# Altium PCB Holberton.PcbDoc (part 4 of 6) (continued)
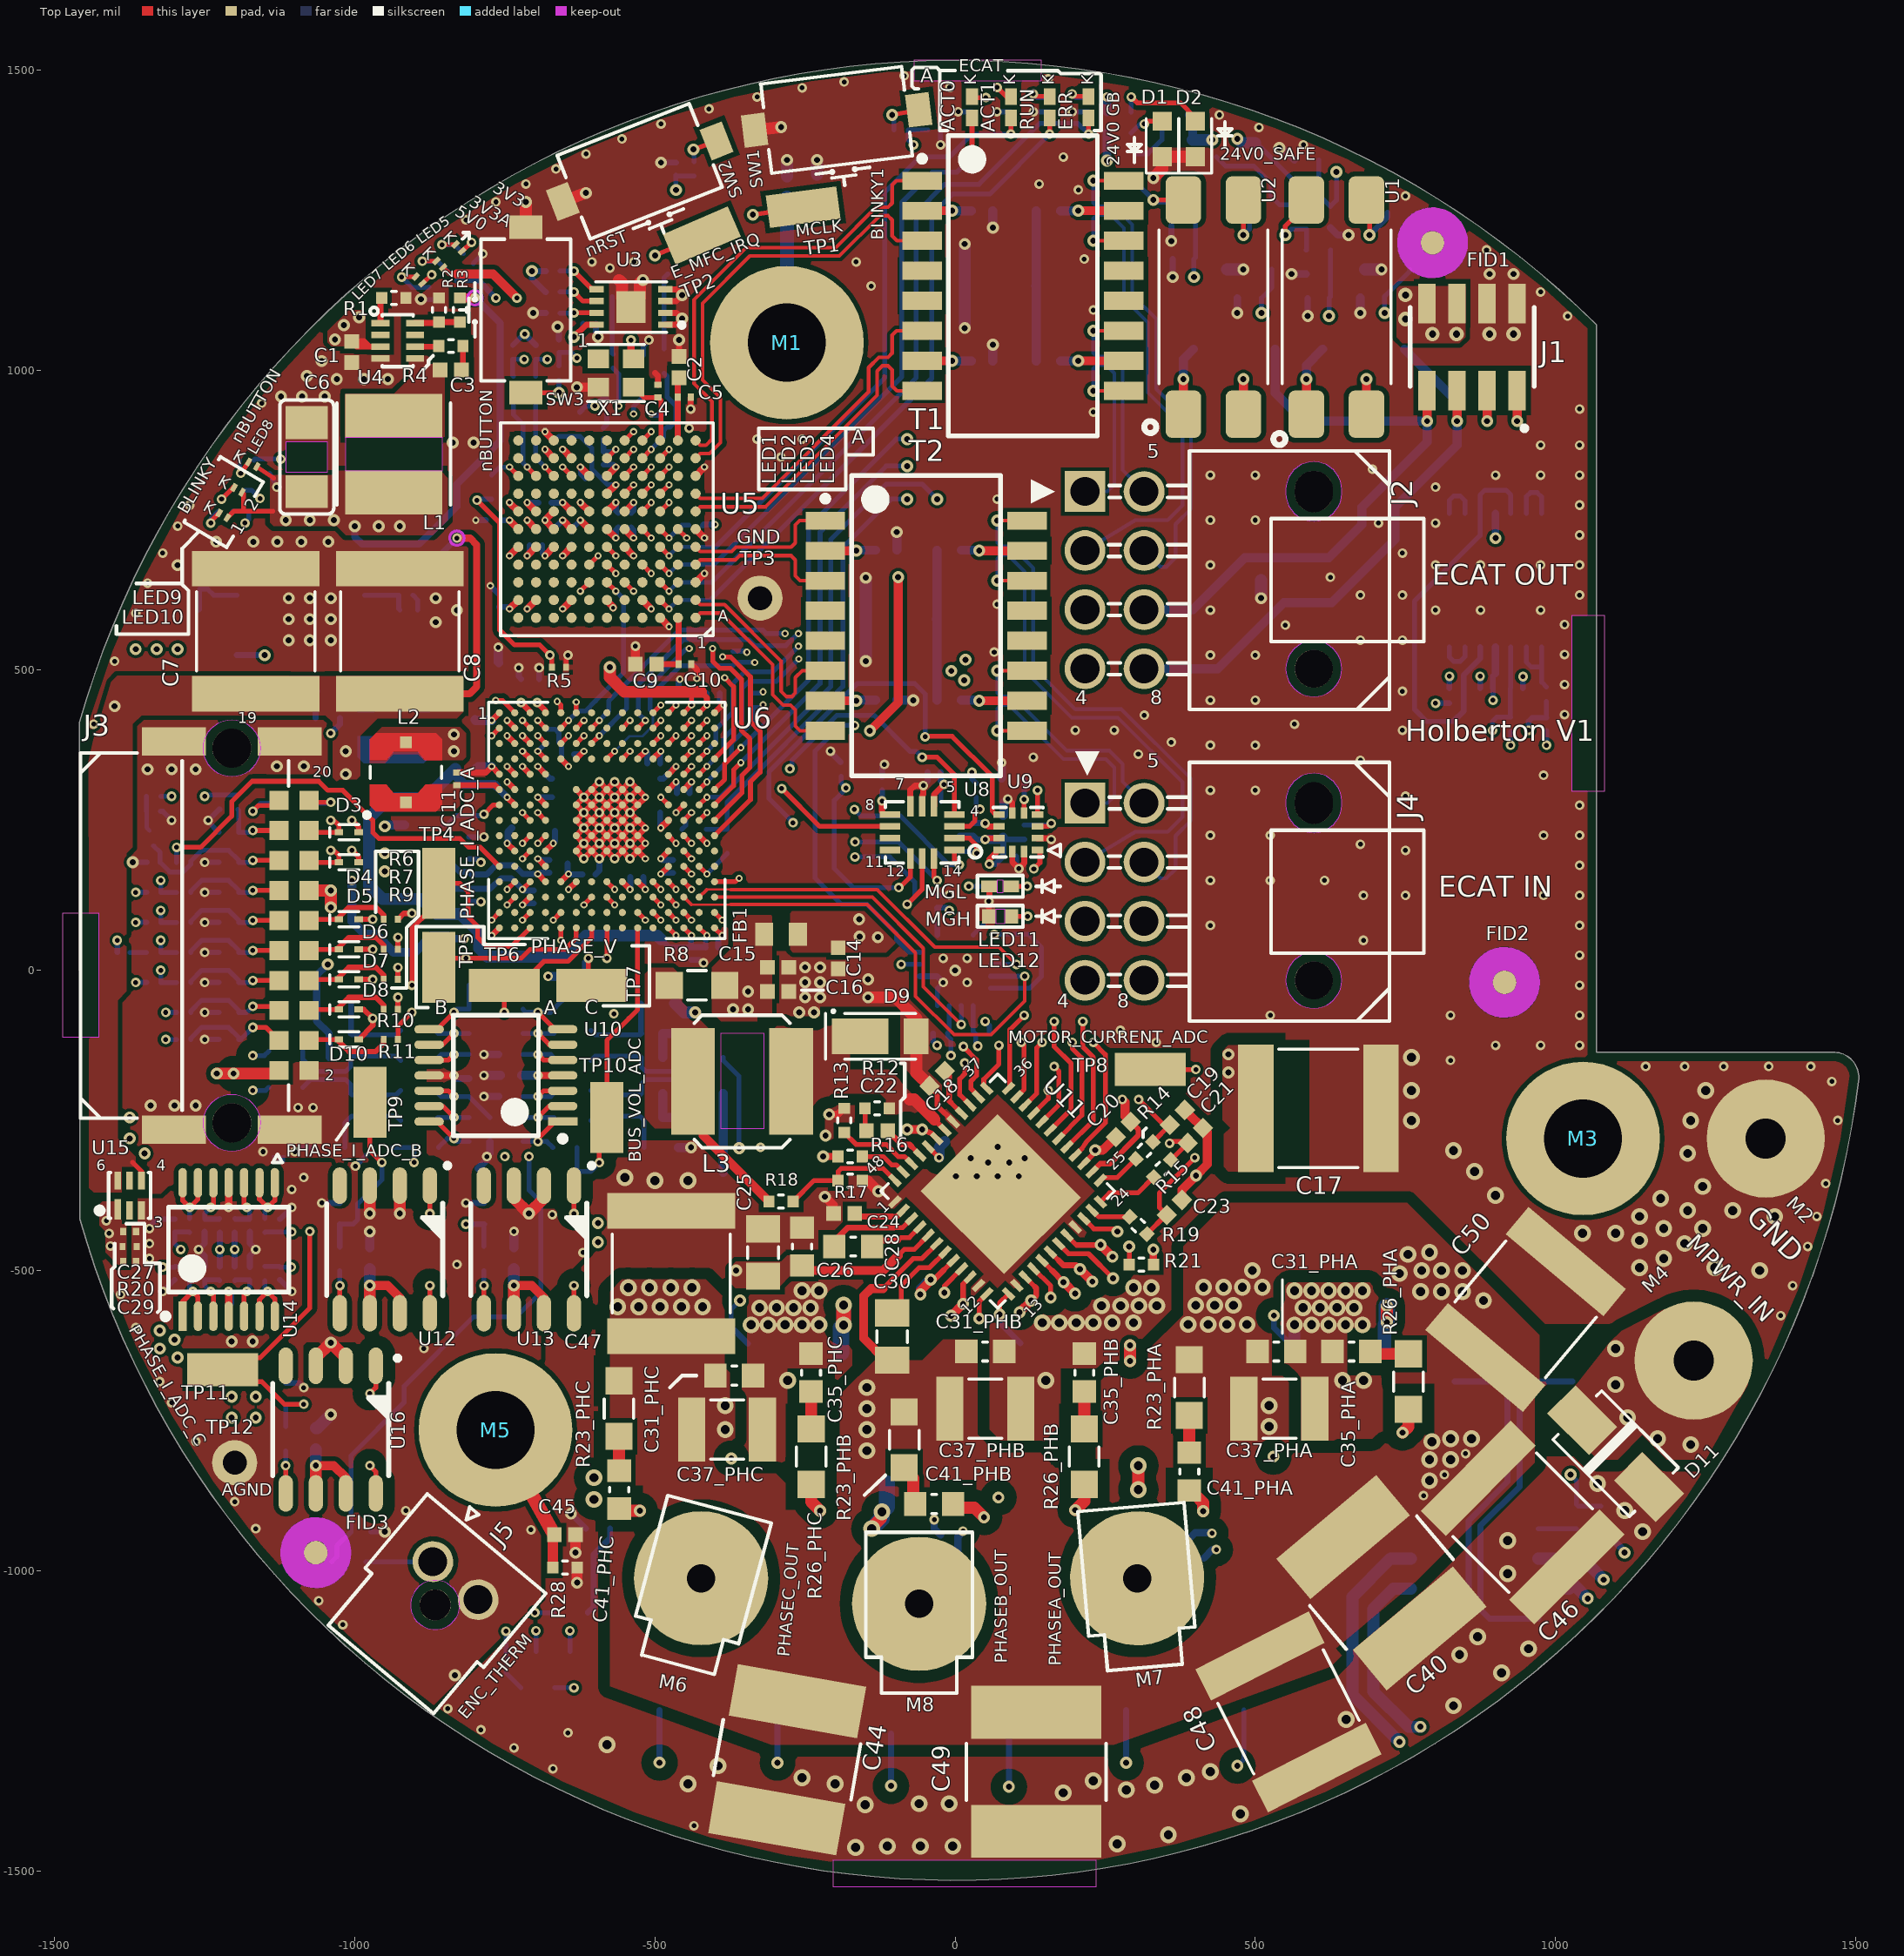
[diagram p0: Top Layer view]
## Nets (pads, with @x,y where several pads share a name; then routed paths per layer and width w, separated by ;. In a path a pad name is that pad's centre, name@x,y a point inside that pad or via, vN(x,y) a via of type N, cw(c..) or ccw(c..) an arc to the next point about the centre after c; other vN are vias at no path point) (continued)
  Top Layer w12: v3(-712.88,602.12) U5.B10@-698.11,616.89 ; v3(-683.35,690.7) U5.E9@-668.58,705.47 ; v3(-683.35,867.88) U5.K9@-668.58,853.11 ; v3(-683.35,897.4) U5.L9@-668.58,882.64 ; v3(-653.82,602.12) U5.B8@-639.05,616.89 ; v3(-653.82,690.7) U5.E8@-639.05,705.47 ; v3(-653.82,749.76) U5.F8@-639.05,735 ; v3(-653.82,779.29) U5.G8@-639.05,764.53 ; v3(-653.82,867.88) U5.K8@-639.05,853.11 ; v3(-624.29,838.34) U5.J7@-609.52,823.58 ; U5.B6@-580,616.89 -580,615.54 -569.7,605.24 v3(-569.7,603.92) ; U5.J6@-580,823.58 v3(-565.24,838.34) ; U5.E5@-550.47,705.47 v3(-535.71,690.7) ; U5.F5@-550.47,735 v3(-535.71,720.23) ; U5.B4@-520.94,616.89 v3(-506.18,602.12) ; U5.A3@-491.41,587.36 v3(-476.65,572.59) ; U5.C1@-432.36,646.42 v3(-417.6,661.17) ; U5.F1@-432.36,735 v3(-417.6,720.23) ; U5.J1@-432.36,823.58 v3(-417.6,838.34) ; v2(-210,-240) -209.58,-239.58 -195.25,-239.58 -188.84,-233.18 -188.35,-233.18 R13.1@-185,-229.83
  Top Layer w15: v2(-630,971.38) X1.2@-594.53,971.38 ; C9.1@-532.71,510 v1(-532.71,540.1) ; v2(-217,-377) -202.72,-391.28 C24.2@-202.72,-405
  Top Layer w17.7: v2(-632.28,-970) C45.2@-632.28,-940 ; v2(-629.83,-1020) R28.1@-629.83,-995 ; R17.1@-154.83,-350 -154.83,-350.49 -154.33,-350.99 -145.01,-350.99 v2@-128.44,-367.56
  Top Layer w20: J3.14@-1076.11,133.08 v2(-1040,133.08) v2(-1040,105) ; SW3.2@-715,1237.8 v2(-715,1280) ; SW2.2@-653.64,1280.65 v2(-615,1295) ; -560,1150 -555,1145 -555,1120 U3.9@-540.01,1105 -525,1120 -525,1145 v2(-520,1150) ; SW1.2@-334.22,1399.6 v2(-289.95,1404.56) ; v2(-145,-45) -100,-45 -64.97,-80.03 -64.97,-170.09 C18.2@-42.53,-192.53 ; v2(330,1320) 345,1335 D1.1@345,1355.47 D2.1@400,1355.47
  Bottom Layer w8: v2(-890,1118) -889,1117 -864.3,1117 R52.2@-859.65,1121.65 ; R48.2@-802.65,1177.65 v1(-786.65,1193.65) ; v3(-624.29,838.34) -624.29,826.71 C70.1@-616.3,818.73 ; U19.8@-29.53,-58.81 -29.53,-29.52 v1(-20,-20) ; v1(-24.37,1375) C51.2@-24.37,1400
  Bottom Layer w8.84: v2(-1370,180) C120.2@-1345.63,180 ; R95.1@-1323.19,265 -1320,265 v1(-1305,250) ; v1(-1250,-115) D23.A@-1226.54,-115 ; v1(-1250,-70) D22.A@-1226.54,-70 ; v1(-1250,-20) D21.A@-1226.54,-20 ; v1(-1250,30) D20.A@-1226.54,30 ; v1(-1250,80) D19.A@-1226.54,80 ; v1(-1250,130) D18.A@-1226.54,130 ; v1(-1250,180) D17.A@-1226.54,180 ; D16.A@-1226.54,230 -1244.1,247.55 v1(-1244.1,250) -1225.91,268.19 R92.1@-1225,268.19 ; v1(5,1430.19) R32.1@28,1430.19 ; v1(69.68,1430.19) R31.1@92.68,1430.19 ; v1(130,1430.19) R30.1@157.36,1430.19 ; v1(195,1430.19) R29.1@222.04,1430.19
  Bottom Layer w9.24: C131.2@-1395.63,30 v1(-1395.63,50) ; v1(-1100,-302) -1093,-295 R143.1@-1073.54,-295 ; C110.2@-810,222.28 v1(-785,222.28) ; C78.1@-687.49,708.42 -687.49,694.85 v3(-683.35,690.7) ; v3(-653.82,690.7) -639.06,705.46 C76.1@-639.06,709.61 ; C67.2@-585.91,842.49 -569.38,842.49 v3(-565.24,838.34) ; C63.2@-519.37,1025 -519.37,1040.63 v1(-510,1050) ; -394.37,51.78 v3(-388.08,58.06) ; C93.2@-392.37,461.99 -392.37,446.92 -387.37,441.92 v3(-385.08,441.92) ; C104.2@-121.95,321.43 v1@-121.95,340 ; C126.1@-30,125.63 v1(-10,125.63)
  Bottom Layer w10: v3(-798.52,749.76) C73.1@-781.62,749.76 ; v3(-774.24,640.76) C81.1@-760.13,626.65 ; v1(-727,504) -727,489.63 C88.2@-723,485.63 ; v2(-703,1095) R56.1@-681.81,1095 ; C87.2@-693,485.63 v1(-693,503.99) ; C75.1@-672.73,733 -670.58,733 v3(-653.82,749.76) ; C71.1@-672.73,779.29 v3(-653.82,779.29) ; v2(-662,1072) -660,1070 C62.2@-660,1050.63 ; v2(-640,-905) -615.18,-929.82 RT1.2@-615.18,-930 ; C98.2@-634.37,360 -623.54,360 v3(-618.39,365.15) ; C121.2@-599.37,160 -592.8,166.57 v1(-592.8,186.03) ; C59.2@-598.46,1076.96 -598.46,1058.46 v2(-595,1055) ; C74.1@-539.84,737.55 -535.71,733.41 v3(-535.71,720.23) ; C72.1@-539.84,761.99 -535.71,766.12 v3(-535.71,779.29) ; C122.2@-519.64,155.48 -519.64,138.46 v3(-516.03,134.84) ; v3(-516.03,365.15) -512.75,361.88 C100.2@-512.75,344.85 ; v3(-490.44,186.02) -488.04,183.63 C119.2@-470,183.63 ; v2(-490,1345.63) C52.2@-465,1345.63 ; v3(-464.85,313.97) -463.63,312.76 C107.2@-463.63,295 ; C92.2@-460.63,462 -460.63,463.3 -460.63,482.46 -458.63,484.46 v3(-458.63,485) ; C128.2@-440,17.37 -425.58,17.37 -420.73,12.52 v1(-419.11,12.52) ; C129.2@-394.37,37.99 -394.37,51.78 ; v1(-207.9,365.3) -207.9,363.88 R89.1@-190.91,346.89 ; U19.10@-58.81,-9.84 -30.16,-9.84 v1(-20,-20) ; v1(-53,308) -45.63,315.37 C102.2@-45.63,330 ; C112.2@30,245.63 49.37,245.63 v1(50,245) ; C116.2@101.63,190 101.63,173.97 v1(106,169.6) ; v2(359.82,1215) R46.1@359.82,1239.99 ; v2(362.28,1155) C56.2@362.28,1185 ; v2(587.28,1090) C58.2@587.28,1120
  Bottom Layer w12: v2(-1045,10) -1063.54,-8.54 -1063.54,-84.18 C135.2@-1042.72,-105 C139.1@-1042.71,-145 ; v3(-746.35,211.61) -745,212.96 -745,230.72 C113.2@-738.72,237 ; v1(-35,-915) -35,-930 RT3.2@-24.27,-940.73 ; RT2.2@385.73,-950.73 399.76,-936.7 425.51,-936.7 426.62,-937.82 v1(427.71,-937.82) ; v2(469.82,1095) R55.1@469.83,1120 ; v2(540,1370) 544.83,1370 R39.1@564.83,1350 ; v2(560,1160) R51.1@584.83,1160 ; C54.2@625,1237.28 637.28,1225 v2(655,1225)
  Bottom Layer w15: C95.1@-800.01,417.71 -798.63,416.33 v3(-771.94,416.33) ; C99.1@-797.29,337 -794.73,339.56 v3(-771.94,339.56) ; v1(-761,538) -761,513.72 C84.2@-760,512.72 ; C147.2@-487.29,-244.99 C141.1@-487.29,-205 ; C138.1@-487.29,-145 C134.2@-487.28,-105 ; C147.2@-487.28,-245 -435,-245 ; C134.2@-487.28,-105 -440,-105 ; R142.1@-461.46,-295 v2(-440,-295) ; C94.2@-97.28,449.99 v2(-70,449.99) ; C79.2@-97.28,699.99 v2(-97.28,730) ; C64.2@62.72,1014.99 v2(62.72,1042.28) ; v2(62.72,1237.28) C55.2@62.72,1264.99 ; C103.2@77.28,320 v1(77.28,346) ; C109.2@80,257.72 81,258.72 81,278.9 v1(87.7,285.6) ; v2@674.83,1095.01 R54.1@674.83,1120
  Bottom Layer w20: R114.1@-466.46,-55 -451.46,-70 v2(-433,-70) ; C53.2@-280,1322.72 v2(-280,1349.99) ; R41.1@-230.01,1325.18 v2(-230.01,1350) ; v2(-149.05,515) v2(-149.05,654.04) ; v2(15.95,1070) v2(15.95,1210) ; Q4.2@452.6,1167.76 v2(480,1167.76) ; v2@509.64,620.01 D12.3@509.64,649.99 ; Q8_PHA.1@564.93,-636.95 564.93,-590.72 v4(565.22,-590.43) ; Q3.2@682.6,1167.76 v2(710,1167.76)
  other v1: -435,-1425 -670,-1330 -735,-1295 -645,-1270 -790,-1265 -845,-1230 1375,-575 1395,-525 1420,-460 1435,-410 1450,-355 -1153,-302 1470,-250 -1094.45,-228.45 -1069.45,-228.45 1460,-185 1150,-160 1215,-160 1280,-160 1355,-160 1425,-160 825,-150 900,-125 975,-125 1040,-125 335,-120 275,-100 525,-75 825,-75 1040,-75 1040,-25 20,-20 -20,20 20,20 1040,25 680,50 425,75 1040,75 680,125 750,125 980,125 1040,125 425,150 525,150 615,150 1040,175 750,200 675,210 425,225 525,225 980,225 1040,225 1040,275 750,290 425,300 500,300 980,325 -118,343 675,350 130,355 305,360 425,375 500,375 360,380 200,400 265,400 745,400 -1435,410 565,410 315,425 1015,426 425,450 500,450 745,465 1015,476 -1400,515 425,525 500,525 1015,526 65,530 675,550 745,550 550,575 1015,576 -1365,595 425,600 800,600 875,600 975,600 70,610 675,625 745,625 1040,625 -1345,645 625,655 425,675 800,675 875,675 975,675 1040,675 -1320,695 745,695 1040,725 -1295,740 705,745 800,745 425,750 500,750 -1275,775 1040,775 70,785 800,805 425,825 500,825 900,825 975,825 1040,825 695,835 -290,855 975,875 1040,875 -330,885 -255,885 -443.16,903.32 230,930 1040,935 -1155,945 1020,1090 230,1100 975,1130 -140,1140 -575,1170 -605,1180 -535,1180 -165,1180 215,1185 885,1200 -815,1250 -765,1280 750,1290 205,1300 -715,1310 140,1310 -665,1335 180,1355 -615,1360 580,1375 -555,1385 506,1404 -490,1410 440,1425 -410,1435 -330,1455 -255,1470 -9,1471 -185,1480 155,1485 -85,1490
  other v2: -128,-368 0.95,-342.94 35.95,-342.94 70.95,-342.94 105.95,-342.94 55,-320 90,-320 25.95,-312.94 115.95,-312.94 70.95,-293.94 -216,-275 -1340,-225 -1300,-225 -1265,-225 -260,-70 -235,-70 -250,-45 -225,-45 -250,-20 -225,-20 -145,-15 0,0 -250,5 -225,5 -1345,335 -1305,335 -1265,335 -1130,340 -1085,340 -1110,550 -1075,550 -1040,550 -865,580 -1110,585 -1075,585 -1040,585 -830,600 -1110,620 -1075,620 -1040,620 -865,620 509.65,620 -1295,675 -1231,714 -1169,714 -1129,714 -1089,714 -1044,714 -837,879 -802,879 -1123,956 -1088,956 -1050,956 -1030,985 -985,985 -945,985 -1080,990 -1055,1015 674.82,1095 890,1160 930,1160
  other v4: -166,-1461 -113,-1459 -58,-1459 -4,-1459 270,-1455 355,-1440 475,-1405 -150,-1390 -60,-1388 -10,-1388 180,-1370 285,-1365 332.1,-1357.4 -445,-1355 -200,-1355 230,-1350 -255,-1345 385,-1345 425,-1335 -395,-1325 -580,-1290 651,-1248 830,-1225 910,-1170 840,-1140 955,-1130 870,-1110 920,-1005 920,-950 1145,-935 1115,-900 1070,-855 -279,-683 151,-683 645,-683 680,-683 -339.88,-590.43 -311.59,-590.43 -283.31,-590.43 -255.02,-590.43 -226.95,-590.41 593.51,-590.43 621.79,-590.43 650.07,-590.43 678.36,-590.43 144.96,-586.9 173.24,-586.9 201.53,-586.9 229.81,-586.9 261.63,-586.9 296.98,-586.9 -325.73,-562.15 -297.45,-562.15 -269.17,-562.15 -240.88,-562.15 579.36,-562.15 607.65,-562.15 635.93,-562.15 664.22,-562.15 243.95,-558.61 275.77,-558.61 305.95,-558.61 335.77,-558.61 -255.02,-533.87 -226.74,-533.87 565.22,-533.87 593.51,-533.87 621.79,-533.87 650.07,-533.87 678.36,-533.87 296.95,-528.61 326.77,-528.61 1340,-500 1140,-495 1265,-495 1180,-480 1215,-455 1140,-450 1045,-438 1100,-438 1180,-430 1245,-430 1140,-410 1365,-410 1220,-400 1295,-400 1175,-380 900,-375 1245,-360 -500,-350 -445,-350 -550,-345 865,-335 1220,-305 830,-300 760,-250 1225,-250 760,-200 1250,-200 760,-145
  other v5: 890,1060 930,1060
IA_ADC: C153.1 R151.2 TP4.1 U6.R3 | length 1191.8
  Top Layer w8: v1(-905,-25) -905,70 -875,100 -875,130 TP4.1@-860,145 -825,145 -811,131 -811,89 -795,73 -795,55 -780,40 -738.81,40 U6.R3@-707.96,70.86
  SL2 w6: v1(-905,-25) -905,-45 -924.9,-64.9 -924.9,-224.9 -1020,-320 -1020,-350 -1012.5,-357.5 -1012.5,-442.5 -990,-465 -857.29,-465 v1(-815,-422.71)
  Bottom Layer w8: R151.2@-785,-459.82 C153.1@-785,-422.71
  Bottom Layer w10: v1(-815,-422.71) C153.1@-785,-422.71
IB_ADC: C154.1 R152.2 TP9.1 U6.P3 | length 852.9
  Top Layer w8: TP9.1@-975,-220 -975,-300 v1(-955,-320) ; v3(-720.75,83.65) U6.P3@-707.96,96.45
  SL1 w6: v1(-955,-320) -914.28,-279.28 -900.3,-265.3 -897,-262 -881.01,-262 -822,-262 -803,-243 -803,-228 -803,-124 -803,-67.5 -777.05,-41.55 -777.05,-15.26 -720.75,41.04 v3(-720.75,83.65)
  Bottom Layer w8: C154.1@-1025,-422.71 -1002.71,-422.71 -995,-415 -995,-389 -955,-349 v1(-955,-320)
  Bottom Layer w10: R152.2@-1025,-459.82 C154.1@-1025,-422.71
IC_ADC: C171.1 R158.2 TP11.1 U6.N7 | length 1405.8
  Top Layer w8: v1(-1085,-722.71) -1117.29,-722.71 -1155,-685 -1200,-685 TP11.1@-1220,-665 -1200,-645 -1157.4,-645 -1075,-562.6 v1(-1075,-435) ; v3(-618.39,109.24) U6.N7@-605.6,122.04
  SL1 w6: v1(-1075,-435) -980,-340 -845,-340 -726.98,-221.98 -726.98,-8.4 -697.5,21.08 -697.5,88.5 -676.76,109.24 v3(-618.39,109.24)
  Bottom Layer w8: R158.2@-1115,-759.82 C171.1@-1115,-722.71 v1(-1085,-722.71)
IMU_CS_M: U6.R9
JTRST: R92.2 R93.1 U6.B6 | length 1013.6
  Top Layer w8: U6.B6@-631.19,403.54 v3(-618.39,416.33)
  SL2 w6: v1(-1250,290) -1250,311 -1246,315 -1246,343 -1257,354 -1257,393 -1222,428 -1104,428 -1072,460 -978,460 -939,499 -824.2,499 -803.3,519.9 -753.7,519.9 -730.6,543 -628,543 -621.81,536.81 -621.81,493.81 -607.79,479.79 -607.79,426.93 v3(-618.39,416.33)
  Bottom Layer w8: v1(-1250,290) -1248.19,291.81 R92.2@-1225,291.81 R93.1@-1195,291.81
LVXSMPS: C11.1 L2.1 U6.F1 | length 73.8
  Top Layer w10: C11.1@-830.01,308.37 -766.33,308.37 U6.F1@-759.14,301.18
MASTER_SCL: R91.1 U8.3 U9.1 | length 271.8
  Top Layer w8: U8.3@-1.58,239.84 23.84,239.84 33,249 33,260.3 v1(41.1,268.4) ; v1(131,169) 141.14,179.14 141.14,196.47 U9.1@137.14,200.47
  SL1 w6: v1(41.1,268.4) 65.6,268.4 82,252 82,218 v1(131,169)
  Bottom Layer w8: R91.1@35,288.19 35,274.5 v1(41.1,268.4)
MASTER_SDA: R99.1 U8.2 U9.4 | length 340
  Top Layer w8: U8.2@-1.58,220.15 23.85,220.15 36,208 v1(36,195) ; U9.4@137.14,259.53 v1(137.14,299.8)
  SL1 w6: v1(36,195) 23.23,225.83 23.23,276.23 35,288 51.34,288 68.34,305 131.94,305 v1(137.14,299.8)
  Bottom Layer w8: R99.1@5,198.19 32.81,198.19 v1(36,195)
MFCIO_BOOT0: R69.1 U5.J11 | length 55.9
  Top Layer w8: v3(-742.4,838.34) U5.J11@-727.63,823.58
  Bottom Layer w8: R69.1@-772.01,825.17 -758.83,838.34 v3(-742.4,838.34)
MFCIO_SCL: R60.1 R64.2 U6.A2 | length 719
  Top Layer w8: v3(-765.36,449.64) -754.06,449.64 U6.A2@-733.55,429.13
  SL1 w6: v3(-765.36,449.64) -806.5,490.78 -806.5,726.5 -817.66,737.66 -817.66,836.06 -747.92,905.8 -747.92,987.78 v1(-718,1017.7)
  Bottom Layer w8: R64.2@-735.55,989.7 -737.05,991.19 -737.05,1017.7 v1(-718,1017.7)
MFCIO_SDA: R59.1 R63.2 U6.B3 | length 741.8
  Top Layer w8: v3(-720.75,416.33) U6.B3@-707.96,403.54
  SL1 w6: v3(-720.75,416.33) -745,440.59 -745,457 -782.1,494.1 -782.1,622.8 -790.7,631.4 -790.7,661.9 -779,673.6 -779,851.6 -722.69,907.91 -722.69,974.28 v1(-679.26,1017.7)
  Bottom Layer w8: R63.2@-698.5,989.7 R59.1@-698.5,1017.7 v1(-679.26,1017.7)
MIC_CLK: U6.A7
MIC_DATA: U6.B8
MOTOR_CURRENT_ADC: C173.1 R159.2 TP8.1 U6.N11 | length 2515.2
  Top Layer w8: U6.N11@-503.23,122.04 v3(-490.44,109.24) ; TP8.1@325,-165 v1(401,-165)
  SL1 w8: v1(401,-165) 419,-147 419,-125 443,-101 486,-101 710,-325 790.06,-325 1010,-544.94 1010,-735 1025,-750 v2(1025,-840)
  SL2 w4: -491,65 -477.64,78.36 -477.64,96.44 v3(-490.44,109.24)
  SL2 w6: -491,65 -491,45.57 -431.43,-14 -384.6,-14 -365.6,5 -299,5 -272,32 -212,32 -199,19 -199,-61 -99,-161 -58,-161 -20,-199 127,-199 145,-217 161,-217 226,-152 388,-152 v1(401,-165)
  Bottom Layer w8: v2(1025,-840) 1035,-850.01 R159.2@1035,-889.82 1037.47,-892.29 C173.1@1074.99,-892.29
MOTOR_THERM1: C165.1 FB8.2 R156.1 U14.3 | length 1045.2
  Top Layer w8: v1(-1240,-535) -1235.59,-539.41 U14.3@-1235.59,-576.22
  SL2 w6: v1(-1240,-535) -1205,-570 -1180,-570 -1129,-621 -1099,-621 -1003,-717 -1003,-847 -925,-925 -860,-925 -840,-945 -825,-945 -748.4,-1021.6 v1(-748.4,-1100.7)
  Bottom Layer w8: v1(-1240,-535) -1250,-525 C165.1@-1250,-515.63 -1226.18,-515.63 R156.1@-1225,-516.81 ; v1(-748.4,-1100.7) -748.4,-1169.75 FB8.2@-723.15,-1195
MOTOR_THERM1_ADC: C166.1 R155.2 U6.N2 | length 1054.2
  Top Layer w8: v3(-746.35,109.24) U6.N2@-733.55,122.04
  SL1 w6: v1(-1320,-494.37) -1320,-410 -1275,-365 -1135,-365 -1098,-328 -1043,-328 -1010,-295 -950,-295 -934.28,-279.28 -900.3,-245.3 -874,-219 -873,-218 -873,-129 -873,-74.2 -752.8,46 -752.8,102.79 v3(-746.35,109.24)
  Bottom Layer w8: v1(-1320,-494.37) C166.1@-1300,-494.37 -1298.82,-493.19 R155.2@-1275,-493.19
MOTOR_THERM2: C164.1 FB7.2 R154.1 U14.5 | length 970.7
  Top Layer w8: U14.5@-1184.41,-576.22 -1184.41,-539.41 v1(-1180,-535)
  SL2 w6: v1(-1180,-535) -1124,-591 -1010.5,-591 -931.6,-669.9 -931.6,-823.4 -835,-920 -810,-920 -720,-1010 -720,-1078.15 v1(-698.15,-1100)
  Bottom Layer w8: R154.1@-1200,-516.81 -1198.82,-515.63 C164.1@-1175,-515.63 -1175,-530 v1(-1180,-535) ; FB7.2@-698.15,-1135 v1(-698.15,-1100)
MOTOR_THERM2_ADC: C163.1 R153.2 U6.J3 | length 1050.1
  Top Layer w8: v3(-720.75,211.61) U6.J3@-707.95,224.41
  SL2 w6: v1(-1105.63,-494.37) -1056.9,-445.64 -1056.9,-418.9 -1071.9,-403.9 -1071.9,-366.9 -1060,-355 -1060,-285 -1000,-225 -1000,80 -960,120 -940,120 -839.2,220.8 -839.2,221.8 -822.6,238.4 -774.4,238.4 -771.2,235.2 -744.33,235.2 v3(-720.75,211.61)
  Bottom Layer w8: R153.2@-1150,-493.19 -1126.18,-493.19 C163.1@-1125,-494.37 v1(-1105.63,-494.37)
MOTOR_THERM3: C156.1 FB6.2 R149.1 U14.10 | length 1316.2
  Top Layer w8: U14.10@-1184.41,-353.78 -1184.41,-390.59 v1(-1180,-395)
  SL2 w6: v1(-1180,-395) -1225,-440 -1298,-440 -1310,-452 -1310,-475 -1272.5,-512.5 -1142.5,-512.5 -1125,-530 -1125,-550 -1110,-565 -993.1,-565 -908.5,-649.6 -908.5,-820 -823.5,-905 -780,-905 -700,-985 v1(-700,-1070)
  Bottom Layer w8: R149.1@-1200,-413.19 -1198.82,-414.37 C156.1@-1175,-414.37 -1175,-400 v1(-1180,-395) ; v1(-700,-1070) FB6.2@-668.15,-1070
MOTOR_THERM3_ADC: C155.1 R147.2 U6.H3 | length 1042.4
  Top Layer w8: v3(-720.75,262.79) U6.H3@-707.96,249.99
  SL2 w6: v1(-1105,-435.63) -1125,-415.63 -1125,-354 -1082,-311 -1082,-267 -1045,-230 -1045,-170 -1066.6,-148.4 -1066.6,35 -966.6,135 -950,135 -830,255 -822.3,255 -800,277.3 -779.3,277.3 -758,256 -727.54,256 v3(-720.75,262.79)
  Bottom Layer w8: R147.2@-1150,-436.81 -1148.82,-435.63 C155.1@-1125,-435.63 v1(-1105,-435.63)
MPWR: C30.1 C31_PHA.1 C31_PHB.1 C31_PHC.1 C37_PHA.1 C37_PHB.1 C37_PHC.1 C40.1 C44.1 C46.1 C47.1 C48.1 C49.1 C50.1 Q11_PHA.5 Q11_PHB.5 Q11_PHC.5 R23_PHA.2 R23_PHB.2 R23_PHC.2 R134.1 R157.2 U11.6 U20.1 | length 1013.7
  Top Layer w8: -119.99,-529.99 -69.99,-479.99 -55.5,-479.99 U11.6@-30.9,-455.39
  Top Layer w15: -119.99,-529.99 -139.99,-529.99 -152.49,-542.49 -152.49,-612.49 -115.62,-649.36 C30.1@-105,-649.37
  Bottom Layer w10: U20.1@758.7,-1080 840,-1080 855,-1065 855,-916.72 920,-851.72 920,-695 910,-685 R157.2@831.79,-685
  Bottom Layer w15: -386.46,-336.46 -386.46,-331 -386.46,-281.46 R134.1@-386.46,-205
  other v1: 780,-875 815,-840 850,-805
  other v4: 790,-850 790,-815 825,-815 -147,-800 794,-785 825,-780 860,-780 -383,-765 -147,-765 523,-760 -147,-730 -383,-725 523,-725 -147,-695 388.05,-589.83 421.41,-589.83 452.76,-589.83 486.12,-589.83 -562.15,-560.43 -526.79,-560.43 -491.44,-560.43 -456.08,-560.43 -420.73,-560.43 400.66,-558.01 432.01,-558.01 463.37,-558.01 880,-550 775,-535 810,-535 845,-535 -544.47,-528.61 -509.12,-528.61 -473.76,-528.61 -438.41,-528.61 413.66,-528.01 447.01,-528.01 478.37,-528.01 511.72,-528.01 740,-505 495,-500 777,-500 810,-500 845,-500 754,-473 790,-470
MPWR_IN: C17.1 C145.1 C150.1 C161.1 C162.1 D11.K M4.1 R16.1 R157.1 U11.43 U20.8 | length 1457.2
  Top Layer w9: v2(-55,-265) -39.47,-271.43 U11.43@-30.9,-280
  Top Layer w12: v2(-220,-310) R16.1@-195.17,-310
  Top Layer w15: v2(-80,-265) v2(-55,-265)
  SL1 w20: v2(-220,-310) -190,-310 -145,-265 v2(-80,-265) v2(-55,-265) 104.93,-265 122.13,-282.2 210.59,-282.2 222.72,-270.07 245.21,-270.07 256.55,-281.42 325.76,-281.42 345.18,-262 363,-262 v2(455,-170) v2(455,-140)
  Bottom Layer w10: U20.8@971.3,-1080 890,-1080 875,-1065 875,-925 940,-860 940,-695 950,-685 R157.1@1028.22,-685
  other v4: 1225,-790 1170,-780 1120,-745 1100,-690 1100,-630
nBUTTON: C62.1 D3.K J3.18 R62.1 R67.1 R68.1 U6.H15 | length 2662.1
  Top Layer w8: J3.18@-1076.11,233.08 -1073.03,230 D3.K@-1026.53,230 -1026.53,241.53 -1035,250 v1(-1040,250) ; v3(-404,536) -404,515 -392,503 -374,503 -356,485 -356,400 -342,386 -342,338 -355,325 -355,295.87 U6.H15@-400.87,249.99
  SL1 w6: v1(-1040,250) -993,297 -993,628 -1017,652 -1059,652 -1108,701 -1108,726 -1094,740 -1094,799.49 -1123,828.49 v1(-1123,851.81) -1008.19,851.81 -880,980 -880,1031 -826,1085 -826,1125 -805,1146 -726,1146 -681.3,1101.3 -681.3,1060.3 -656.5,1035.5 -645.5,1035.5 v1(-630,1020)
  SL2 w6: v1(-630,1020) -609,999 -609,962 -622,949 -622,881 -606,865 -606,735 -616,725 -616,691 -601.24,676.24 -462.24,676.24 -416.5,630.5 -416.5,548.5 v3(-404,536)
  Bottom Layer w8: R68.1@-1168.19,850 -1166.38,851.81 v1(-1123,851.81) ; R62.1@-660.01,1006.81 C62.1@-660,1029.37 -639.37,1029.37 v1(-630,1020)
nECAT_EEPROM_EN: R56.2 U3.7 | length 61.2
  Top Layer w8: v1(-635,1095.16) U3.7@-597.09,1095.16
  Bottom Layer w8: R56.2@-658.19,1095 -635.16,1095 v1(-635,1095.16)
NetC3_1: C3.1 R4.2 | length 41
  Top Layer w10: C3.1@-822.29,999.99 -819.82,1002.46 R4.2@-819.82,1040
NetC3_2: C3.2 L1.1 U4.5
NetC7_1: C7.1 C8.1 C97.1 C101.1 L4.2 LED7.A R75.2 U15.4 U15.6 | length 1563.8
  Top Layer w8: -1370,-320 -1355.31,-334.69 U15.4@-1355.31,-350.16 ; LED7.A@-887.35,1144.35 v1(-871.86,1158.85)
  Top Layer w12: C8.1@-924.99,460.66 -809,460.66 -797,472.66 -797,709 -808,720 v1(-830,720)
  SL1 w12: v2(-1400,440) -1357.6,440 -1265.6,532 -1265.6,741.95 -1240.74,801.98 -1189.24,879.05 -1139.29,929 -1045,929 -1008,966 -1008,1035 -899.38,1143.62 -887.09,1143.62 v1(-871.86,1158.85)
  Bottom Layer w10: R75.2@-903.19,690 -860.01,689.99 v1(-830,720)
  other v2: -1015,327 -1015,365
NetC22_2: C22.2 R12.1 | length 38
  Top Layer w8: R12.1@-150.17,-230 -150.17,-264.55 C22.2@-147.72,-267
NetC35_PHA_2: C35_PHA.2 R26_PHA.1 | length 65
  Top Layer w20: C35_PHA.2@691.51,-635 695.24,-638.74 R26_PHA.1@754.99,-638.74
NetC35_PHB_2: C35_PHB.2 R26_PHB.1 | length 62.2
  Top Layer w20: R26_PHB.1@214.99,-763.74 C35_PHB.2@215,-701.51
NetC35_PHC_2: C35_PHC.2 R26_PHC.1 | length 62.2
  Top Layer w20: R26_PHC.1@-240.01,-763.74 C35_PHC.2@-240,-701.51
NetC41_PHA_2: C41_PHA.2 R23_PHA.1 | length 62.2
  Top Layer w20: C41_PHA.2@390,-803.49 R23_PHA.1@390,-741.26
NetC41_PHB_2: C41_PHB.2 R23_PHB.1 | length 72.2
  Top Layer w20: R23_PHB.1@-85,-831.26 -70,-846.26 -70,-889.5 C41_PHB.2@-64.5,-895
NetC41_PHC_2: C41_PHC.2 R23_PHC.1 | length 57.2
  Top Layer w20: C41_PHC.2@-560,-833.49 R23_PHC.1@-560,-776.26
NetC45_1: C45.1 M5.1 R28.2 | length 256
  Top Layer w17.7: R28.2@-670.18,-995 -670.18,-942.47 C45.1@-667.71,-940
  Top Layer w23: M5.1@-765.57,-765.57 C45.1@-667.71,-940
NetC53_1: C53.1 M1.1 R41.2 | length 292.6
  Bottom Layer w17.7: C53.1@-280,1287.29 -277.53,1284.82 R41.2@-230.01,1284.82
  Bottom Layer w23.41: M1.1@-280.22,1045.79 -280,1046.01 C53.1@-280,1287.29
NetC55_1: C55.1 T1.2 | length 82.6
  Top Layer w15: T1.2@-55.13,1265.4 v2(-5,1265.4)
  Bottom Layer w15: v2(-5,1265.4) -4.59,1264.99 C55.1@27.29,1264.99
NetC57_1: C57.1 R45.1 R61.1 | length 250.6
  Bottom Layer w15: R61.1@134.82,1014.99 134.82,1139.23 C57.1@134.07,1139.99 134.82,1140.75 R45.1@134.82,1264.99
NetC64_1: C64.1 T1.7 | length 82.6
  Top Layer w15: T1.7@-55.13,1015.4 v2(-5,1015.4)
  Bottom Layer w15: v2(-5,1015.4) -4.59,1014.99 C64.1@27.29,1014.99
NetC77_1: C77.1 U18.4 | length 68.7
  Bottom Layer w8: C77.1@-1265,675 U18.4@-1196.3,675
NetC79_1: C79.1 T2.2 | length 83.9
  Top Layer w15: T2.2@-216.29,699.12 v2(-165,699.12)
  Bottom Layer w15: v2(-165,699.12) -164.12,699.99 C79.1@-132.71,699.99
NetC80_1: C80.1 R74.1 R84.1 | length 250.6
  Bottom Layer w15: R84.1@-30.18,449.99 -30.17,584.23 C80.1@-30.93,584.99 -30.17,585.75 R74.1@-30.18,699.99
NetC82_1: C82.1 R78.1 | length 27.8
  Bottom Layer w8: R78.1@-903.19,625 -895.01,616.82 C82.1@-895.01,600.63
NetC83_1: C83.1 R78.2 U18.6 | length 82
  Bottom Layer w8: U18.6@-983.7,625 R78.2@-926.81,625 -926.81,602.43 C83.1@-925.01,600.63
NetC89_1: C89.1 R86.2 | length 46
  Bottom Layer w10: R86.2@-1065.18,420 -1065.18,462.53 C89.1@-1062.71,464.99
NetC89_2: C89.2 D13.K L4.1 U18.8
NetC90_1: C90.1 D24.K FB5.1 R87.1 U17.3 | length 2981.6
  SL1 w10: v1(-710,-310) -683,-310 -553,-180 -415,-180 -381,-146 -344,-146 -38.52,-146 -11.29,-173.23 138.23,-173.23 145,-180 175.95,-180 190.66,-165.3 318.3,-165.3 359.8,-123.8 359.8,-106.09 574.89,109 620,109 793.5,282.5 793.5,298.5 v1(895,400)
  Bottom Layer w8: D24.K@-1006.53,-935 -1006.53,-808.53 -917.76,-719.76 -917.76,-692.76 -802,-577 -731,-577 -690,-536 -690,-386 -710,-366 v1(-710,-310) ; v1(895,400) 895,415 901.81,421.81 R87.1@925,421.81 924.37,422.44 C90.1@924.37,470 925.59,471.22 U17.3@925.59,538.78
  Bottom Layer w8.84: FB5.1@-1038.15,-985 -1030,-976.85 -1030,-958.47 D24.K@-1006.53,-935
NetC94_1: C94.1 T2.7 | length 83.9
  Top Layer w15: T2.7@-216.29,449.12 v2(-165,449.12)
  Bottom Layer w15: v2(-165,449.12) -164.12,449.99 C94.1@-132.71,449.99